# Altium PCB ASP-0.PcbDoc (part 4 of 4)
Units mm, origin at the board's own origin, x right, y up, seen from the top; angles counter-clockwise.
Board outline 200 x 170 mm, 2 copper layers (Top Layer, Bottom Layer); 290 components, 293 nets, 1338 pads, 464 vias.
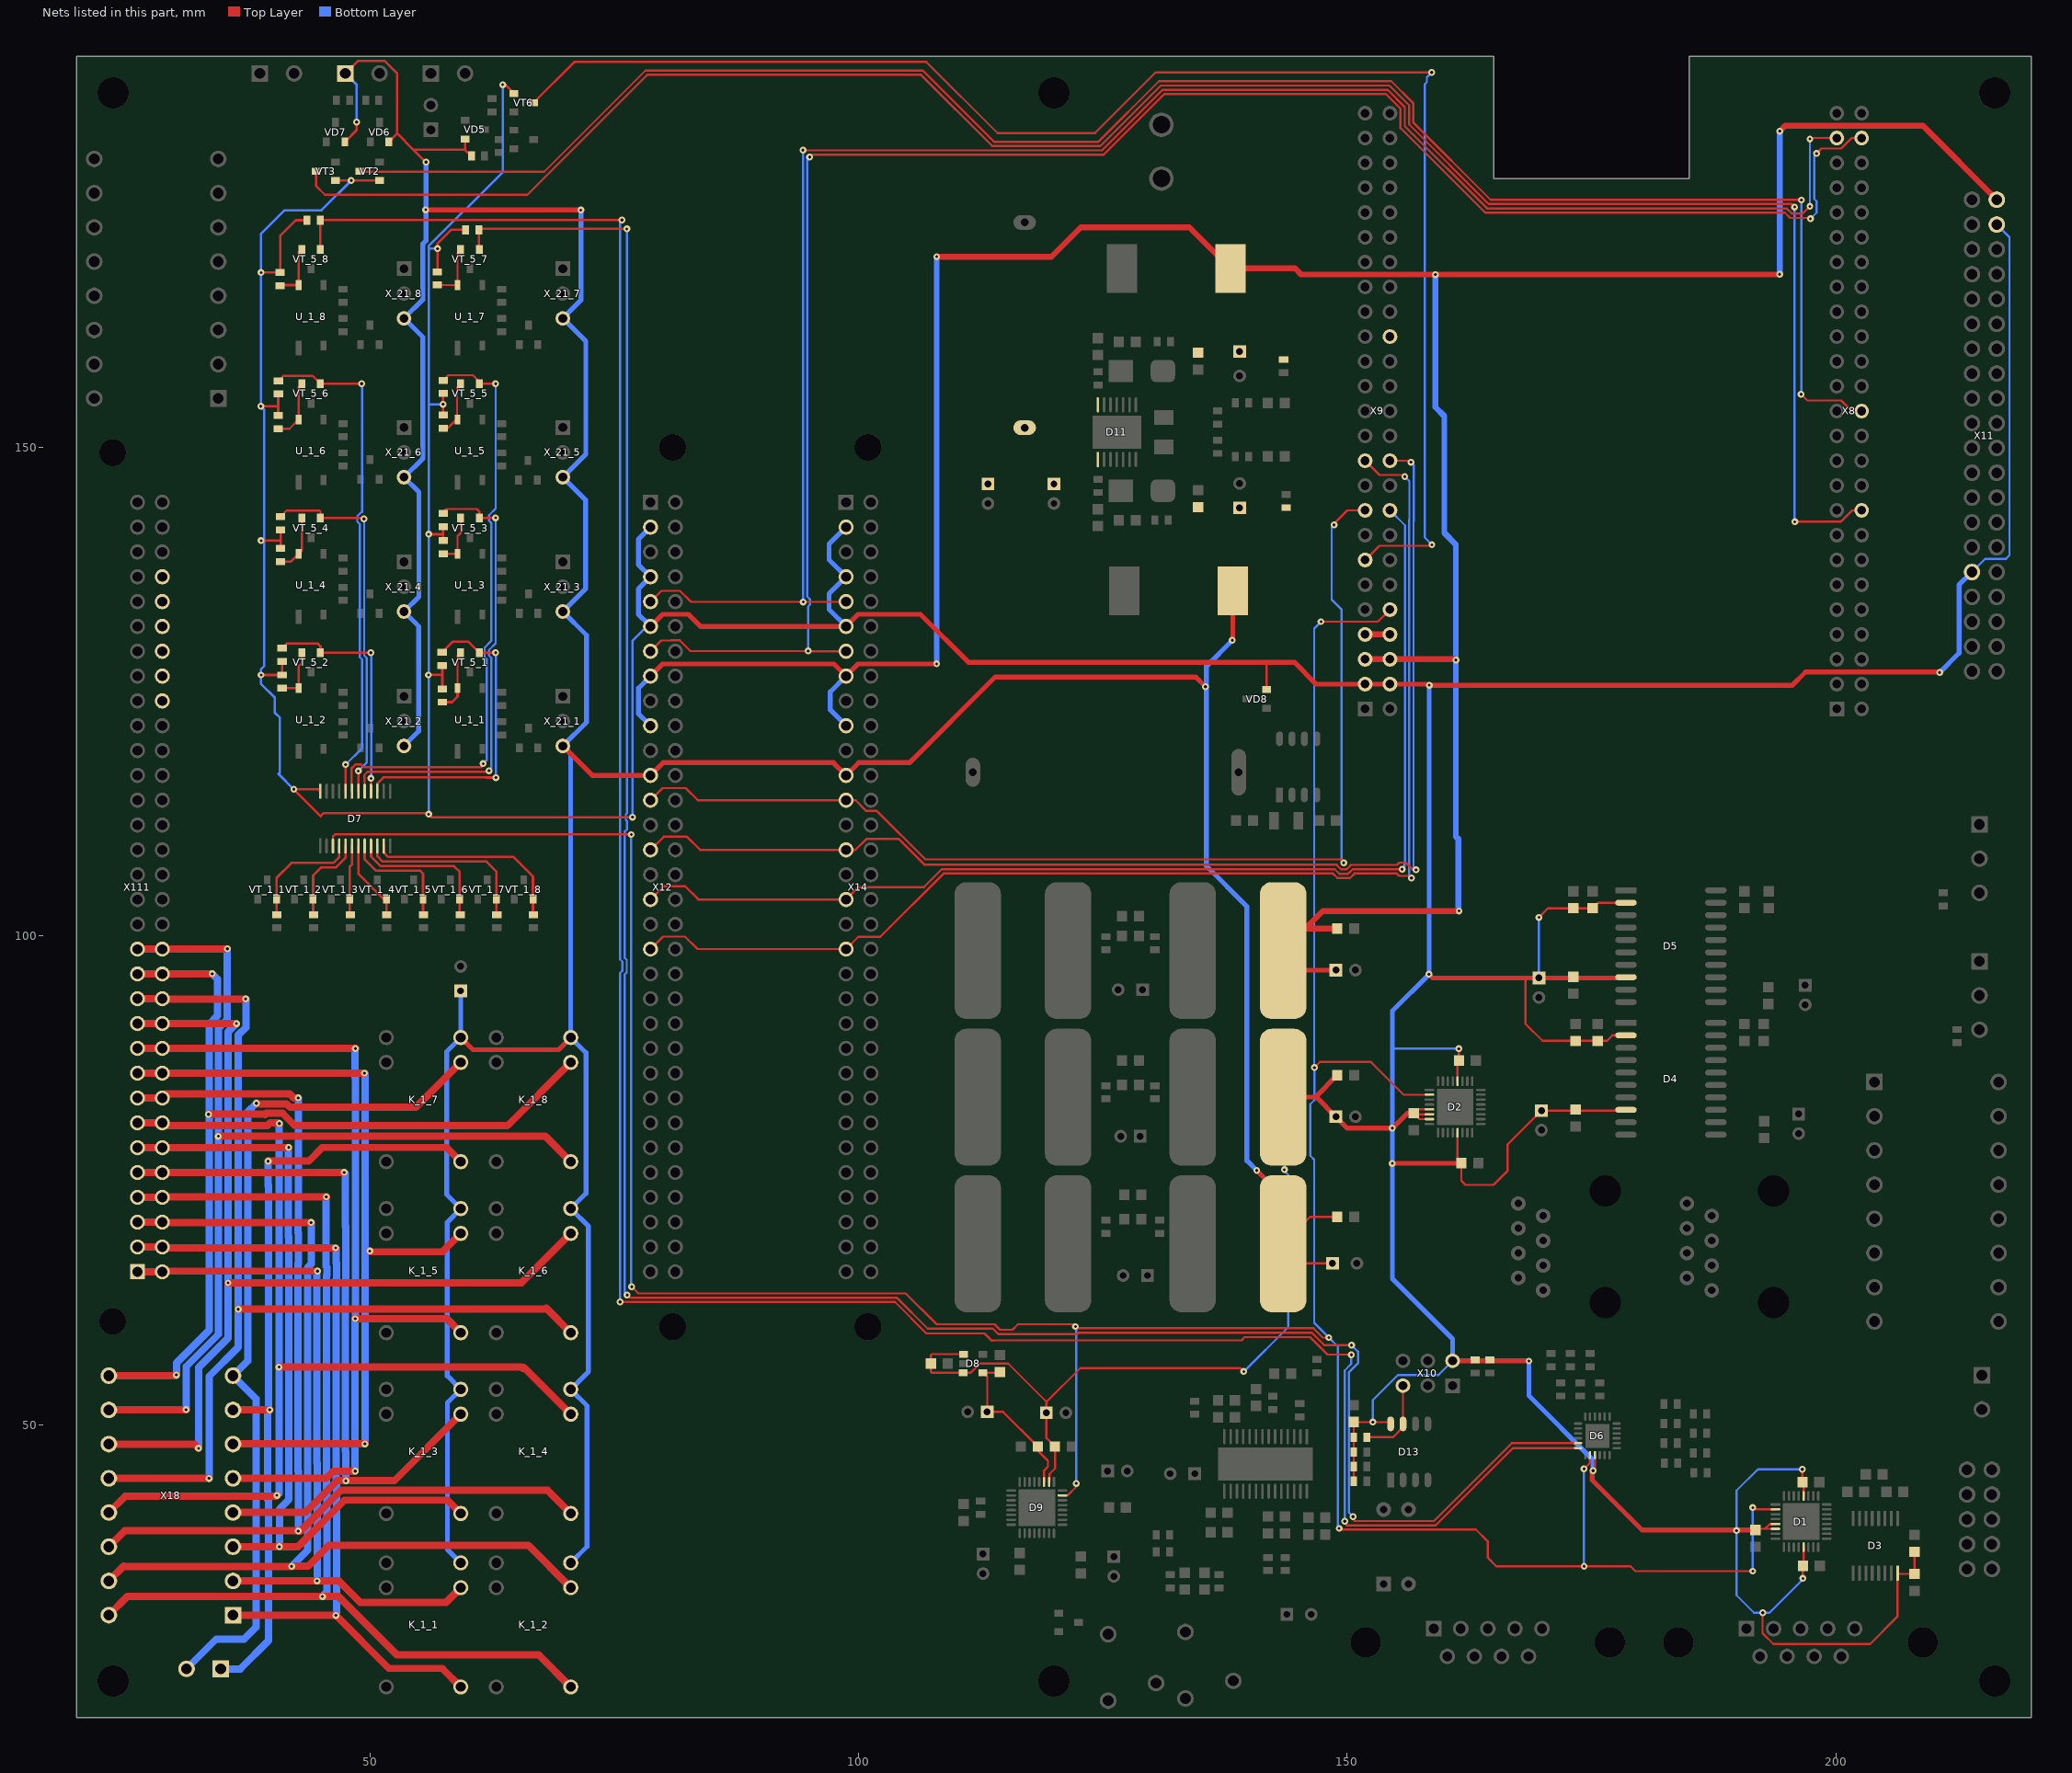
[diagram p4: the nets of this part, all layers, seen from the top]

## Via types
v1: diameter 0.7, hole 0.3, Top Layer to Bottom Layer, 444 vias
v2: diameter 0.7, hole 0.3, Top Layer to Bottom Layer, tented both sides, 20 vias

## Nets (pads, with @x,y where several pads share a name; then routed paths per layer and width w, separated by ;. In a path a pad name is that pad's centre, name@x,y a point inside that pad or via, vN(x,y) a via of type N, cw(c..) or ccw(c..) an arc to the next point about the centre after c; other vN are vias at no path point) (continued)
NetR_24_1_1: R_24_1.1 U_1_1.4 VT_5_1.2 | length 6.4
  Top Layer w0.22: U_1_1.4@58.98,125.35 58.98,128.68 VT_5_1.2@59.3,129
  Top Layer w0.25: R_24_1.1@57.425,123.925 58.425,123.925 58.98,124.48 U_1_1.4@58.98,125.35
NetR_24_2_1: R_24_2.1 U_1_2.4 VT_5_2.2 | length 5.5
  Top Layer w0.22: R_24_2.1@41.025,125.35 U_1_2.4@42.73,125.35 42.73,127.605 43.05,127.925 VT_5_2.2@43.05,129
NetR_24_3_1: R_24_3.1 U_1_3.4 VT_5_3.2 | length 5.3
  Top Layer w0.22: R_24_3.1@57.5,139.1 U_1_3.4@58.98,139.1 58.98,140.905 59.3,141.225 VT_5_3.2@59.3,142.75
NetR_24_4_1: R_24_4.1 U_1_4.4 VT_5_4.2 | length 6
  Top Layer w0.25: R_24_4.1@40.875,138.3 41.93,138.3 U_1_4.4@42.73,139.1 43.05,139.42 VT_5_4.2@43.05,142.75
NetR_24_5_1: R_24_5.1 U_1_5.4 VT_5_5.2 | length 5.6
  Top Layer w0.22: R_24_5.1@57.5,151.95 57.98,151.95 58.93,152.9 58.93,156.13 VT_5_5.2@59.3,156.5
NetR_24_6_1: R_24_6.1 U_1_6.4 VT_5_6.2 | length 6.3
  Top Layer w0.22: R_24_6.1@40.625,151.9 41.78,151.9 U_1_6.4@42.73,152.85 42.73,156.18 VT_5_6.2@43.05,156.5
NetR_24_7_1: R_24_7.1 U_1_7.4 VT_5_7.2 | length 5.8
  Top Layer w0.22: R_24_7.1@56.925,166.6 U_1_7.4@58.98,166.6 58.98,169.93 VT_5_7.2@59.3,170.25
NetR_24_8_1: R_24_8.1 U_1_8.4 VT_5_8.2 | length 5.8
  Top Layer w0.25: R_24_8.1@40.75,166.675 40.825,166.6 U_1_8.4@42.73,166.6 42.73,169.93 VT_5_8.2@43.05,170.25
NetVT2_3: VT2.3 X8.26 | length 190.4
  Top Layer w0.22: VT2.3@49,178.25 49,178.195 67.845,178.195 78.195,188.545 106.585,188.545 113.865,181.265 124.56,181.265 130.755,187.46 154.503,187.46 156.784,185.179 156.784,183.216 164.675,175.325 196.45,175.325 v1(196.475,175.3) ; v1(196.45,155.425) 197.09,154.785 200.551,154.785 201.631,153.705 X8.26@202.644,153.705
  Bottom Layer w0.22: v1(196.45,155.425) 196.475,155.45 v1(196.475,175.3)
NetVT3_3: VT3.3 X8.18 | length 209.7
  Top Layer w0.22: VT3.3@44.5,178.25 44.5,176.75 45.4,175.85 66.122,175.85 78.377,188.105 106.403,188.105 113.683,180.825 124.742,180.825 130.937,187.02 154.321,187.02 156.344,184.997 156.344,183.034 164.493,174.885 195.515,174.885 195.785,174.615 v1(195.785,174.584) ; v1(195.8,142.375) 200.5,142.375 201.67,143.545 X8.18@202.644,143.545
  Bottom Layer w0.22: v1(195.785,174.584) 195.77,174.569 195.77,142.405 v1(195.8,142.375)
NetVT6_3: VT6.3 X9.13 | length 155.6
  Top Layer w0.22: VT6.3@66.75,185.25 70.925,189.425 106.95,189.425 114.23,182.145 124.195,182.145 130.4,188.35 v1(158.65,188.35) ; X9.13@151.844,138.465 153.304,139.925 158.575,139.925 v1(158.675,140.025)
  Bottom Layer w0.22: v1(158.65,188.35) 158.163,187.863 158.163,187.377 157.94,187.155 157.94,140.76 v1(158.675,140.025)
NetX111_B24: X111.B24
NetX111_B25: X111.B25
NetX111_B26: X111.B26
NetX111_B27: X111.B27
NetX111_B28: X111.B28
NetX111_B29: X111.B29
ON1: D7.4 R_3_1.2 VT_1_1.2 | length 12.2
  Top Layer w0.25: R_3_1.2@40.5,102.175 40.45,102.225 VT_1_1.2@40.45,103.75 40.45,105.925 41.995,107.47 46.295,107.47 46.875,108.05 D7.4@46.875,109.2
ON2: D7.5 R_3_2.2 VT_1_2.2 | length 9.3
  Top Layer w0.25: R_3_2.2@44.25,102.175 44.2,102.225 VT_1_2.2@44.2,103.75 44.2,106.175 45.025,107 46.5,107 47.525,108.025 D7.5@47.525,109.2
ON3: D7.6 R_3_3.2 VT_1_3.2 | length 7.1
  Top Layer w0.25: R_3_3.2@48,102.175 47.95,102.225 VT_1_3.2@47.95,103.75 47.95,107.075 48.175,107.3 D7.6@48.175,109.2
ON4: D7.7 R_3_4.2 VT_1_4.2 | length 8.4
  Top Layer w0.25: D7.7@48.825,109.2 48.825,106.387 51.462,103.75 VT_1_4.2@51.7,103.75 51.7,102.225 R_3_4.2@51.75,102.175
ON5: D7.8 R_3_5.2 VT_1_5.2 | length 12.2
  Top Layer w0.25: D7.8@49.475,109.2 49.475,107.85 50.655,106.67 55.155,106.67 55.45,106.375 VT_1_5.2@55.45,103.75 55.45,102.225 R_3_5.2@55.5,102.175
ON6: D7.9 R_3_6.2 VT_1_6.2 | length 15.2
  Top Layer w0.25: D7.9@50.125,109.2 50.125,108.135 51.12,107.14 58.61,107.14 59.2,106.55 VT_1_6.2@59.2,103.75 59.2,102.225 R_3_6.2@59.25,102.175
ON7: D7.10 R_3_7.2 VT_1_7.2 | length 18.3
  Top Layer w0.25: D7.10@50.775,109.2 50.775,108.15 51.315,107.61 61.94,107.61 62.95,106.6 VT_1_7.2@62.95,103.75 62.95,102.225 R_3_7.2@63,102.175
ON8: D7.11 R_3_8.2 VT_1_8.2 | length 20.9
  Top Layer w0.25: D7.11@51.425,109.2 51.425,108.535 51.88,108.08 64.708,108.08 66.7,106.088 VT_1_8.2@66.7,103.75 66.7,102.225 R_3_8.2@66.75,102.175
RESET_N: D1.2 D2.2 D6.20 D7.3 D9.31 X9.10 | length 354.3
  Top Layer w0.22: D7.3@46.225,109.2 46.225,110.175 46.45,110.4 76.725,110.4 v1(76.75,110.375) ; v1(76.804,64.103) 77.487,63.42 104.835,63.42 107.995,60.26 113.931,60.26 114.496,59.695 115.757,59.695 116.3,60.238 116.3,60.26 121.974,60.26 v1(122.206,60.028) 122.384,59.85 146.55,59.85 147.5,58.9 v1(148.125,58.9) ; D9.31@120.875,42.75 121.403,42.75 v1@122.325,43.672 ; v1(146.65,86.525) 147.225,87.1 152.425,87.1 155.775,83.75 D2.2@158.425,83.75 ; v1(147.332,132.156) 147.339,132.15 153.149,132.15 X9.10@154.384,133.385 ; v1(149.175,39.375) 149.3,39.25 163.175,39.25 164.375,38.05 164.375,36.397 165.272,35.5 v1(174.25,35.5) 179,35.5 179.5,35 v1(191.5,35) ; v1(174.233,45.477) 174.252,45.477 174.85,46.075 D6.20@174.85,46.875 ; v1(191.5,41.5) 191.675,41.325 D1.2@193.825,41.325
  Bottom Layer w0.22: v1(76.75,110.375) 76.75,64.1 76.753,64.103 v1(76.804,64.103) ; v1(122.206,60.028) 122.281,59.953 v1(122.281,43.977) ; 146.625,83.175 146.625,131.449 v1(147.332,132.156) ; v1(146.65,86.525) 146.65,83.2 146.225,82.775 146.225,77.509 146.625,77.109 146.625,60.4 v1(148.125,58.9) 149.045,57.98 149.045,39.505 v1(149.175,39.375) ; v1@174.248,45.477 v1(174.233,45.477) 174.233,35.517 v1(174.25,35.5) ; v1(191.5,35) v1(191.5,41.5)
S_IN1: D7.15 R_10_1.1 VT_5_1.1 | length 32.5
  Top Layer w0.25: D7.15@50.775,114.8 50.775,115.6 51.4,116.225 61.892,116.225 61.912,116.205 62.488,116.205 62.508,116.225 62.875,116.225 v1(62.9,116.2) ; R_10_1.1@57.4,129.025 58.5,130.125 60.075,130.125 VT_5_1.1@61.2,129 61.225,128.975 v1(62.875,128.975)
  Bottom Layer w0.25: v1(62.875,128.975) 62.9,129 v1(62.9,116.2)
S_IN2: D7.16 R_10_2.1 VT_5_2.1 | length 24.2
  Top Layer w0.22: VT_5_2.1@44.95,129 44.975,128.975 v1(50.1,128.975) ; D7.16@50.125,114.8 v1(50.125,116.125)
  Top Layer w0.25: R_10_2.1@41.025,129.45 41.5,129.925 44.65,129.925 44.95,129.625 VT_5_2.1@44.95,129
  Bottom Layer w0.22: v1(50.1,128.975) 50.14,128.935 50.14,116.14 v1(50.125,116.125)
S_IN3: D7.17 R_10_3.1 VT_5_3.1 | length 47.4
  Top Layer w0.22: D7.17@49.475,114.8 49.475,115.813 49.445,115.843 49.445,116.47 49.785,116.81 62.11,116.81 v1(62.2,116.9) ; R_10_3.1@57.5,143.225 57.5,143.35 57.835,143.685 60.965,143.685 61.2,143.45 VT_5_3.1@61.2,142.75 61.225,142.775 v1(62.875,142.775)
  Bottom Layer w0.22: v1(62.2,116.9) 62.425,117.125 62.425,128.463 62.195,128.693 62.195,129.27 62.875,129.95 v1(62.875,142.775)
S_IN4: D7.18 R_10_4.1 VT_5_4.1 | length 37.9
  Top Layer w0.22: R_10_4.1@40.875,142.9 41.505,143.53 44.845,143.53 44.95,143.425 VT_5_4.1@44.95,142.75 49.325,142.75 v1(49.4,142.675) ; D7.18@48.825,114.8 v1(48.825,116.875)
  Bottom Layer w0.22: v1(48.825,116.875) 49.7,117.75 49.7,128.413 49.42,128.693 49.42,142.655 v1(49.4,142.675)
S_IN5: D7.19 R_10_5.1 VT_5_5.1 | length 62.3
  Top Layer w0.22: D7.19@48.175,114.8 48.145,114.83 48.145,117.157 48.543,117.555 49.107,117.555 49.412,117.25 61.375,117.25 61.603,117.478 v1(61.603,117.631) ; R_10_5.1@57.5,156.85 58.025,157.375 60.55,157.375 VT_5_5.1@61.425,156.5 ; VT_5_5.1@61.2,156.5 VT_5_5.1@61.425,156.5 ; v1(62.875,156.5) VT_5_5.1@61.425,156.5
  Bottom Layer w0.22: v1(61.603,117.631) 61.95,117.978 61.95,128.316 61.755,128.511 61.755,129.505 62.425,130.175 62.425,142.263 62.195,142.493 62.195,143.057 62.875,143.737 62.875,156.475 62.85,156.5 v1(62.875,156.5)
S_IN6: D7.20 R_10_6.1 VT_5_6.1 | length 51.9
  Top Layer w0.22: R_10_6.1@40.65,156.8 41.15,157.3 44.15,157.3 VT_5_6.1@44.95,156.5 v1(49.175,156.5) ; D7.20@47.525,114.8 47.525,117.528 v1(47.527,117.531)
  Bottom Layer w0.22: v1(47.527,117.531) 49.225,119.228 49.225,128.266 48.98,128.511 48.98,142.133 48.72,142.393 48.72,142.957 49.118,143.355 49.205,143.355 49.205,156.47 v1(49.175,156.5)
S_IN7: D6.17 R_10_7.1 VT_5_7.1 | length 248.2
  Top Layer w0.22: VT_5_7.1@61.2,170.25 61.15,170.3 R_10_7.1@61.15,172.25 61.25,172.35 v1(76.3,172.35) ; v1(76.325,63.25) 76.595,62.98 103.92,62.98 107.08,59.82 113.749,59.82 114.314,59.255 122.395,59.255 122.55,59.41 146.368,59.41 147.653,58.125 v1(150.45,58.125) ; v1(150.607,40.577) 150.607,40.293 150.77,40.13 158.88,40.13 166.85,48.1 D6.17@173.625,48.1
  Bottom Layer w0.22: v1(76.3,172.35) 76.325,172.325 76.325,112.562 76.195,112.432 76.195,111.868 76.325,111.738 76.325,110.912 76.07,110.657 76.07,97.761 76.285,97.546 76.285,96.254 76.07,96.039 76.07,63.505 v1(76.325,63.25) ; v1(150.45,58.125) 151.112,57.463 151.112,56.278 150.197,55.363 150.197,40.987 v1(150.607,40.577)
S_IN8: D6.18 R_10_8.1 VT_5_8.1 | length 267
  Top Layer w0.22: VT_5_8.1@44.95,170.25 44.925,170.275 R_10_8.1@44.925,173.225 44.95,173.25 v1(75.8,173.25) ; v1(75.61,62.54) 103.738,62.54 106.953,59.325 112.887,59.325 113.637,58.575 113.775,58.575 113.825,58.625 139.188,58.625 139.511,58.948 146.208,58.948 148,57.155 150.405,57.155 v1(150.432,57.128) ; v1(149.757,40.102) 149.757,39.893 149.96,39.69 159.062,39.69 166.972,47.6 D6.18@173.625,47.6
  Bottom Layer w0.22: v1(75.61,62.54) 75.61,96.201 75.845,96.436 75.845,97.364 75.61,97.599 75.61,173.06 v1(75.8,173.25) ; v1(149.757,40.102) 149.757,55.546 150.405,56.193 150.405,56.943 150.4,56.948 150.4,57.095 v1(150.432,57.128)
SPI0CS0: X9.17 X12.A13 X14.A13 | length 113.7
  Top Layer w0.22: X12.A13@78.73,113.89 79.965,115.125 82.325,115.125 83.56,113.89 X14.A13@98.73,113.89 99.707,113.89 100.812,112.785 101.887,112.785 106.847,107.825 149.315,107.825 v1(149.655,107.485) ; v1(148.657,142.057) 148.657,142.182 150.02,143.545 X9.17@151.844,143.545
  Bottom Layer w0.22: v1(148.657,142.057) 148.415,141.815 148.415,134.419 149.415,133.419 149.415,107.725 v1(149.655,107.485)
SPI0DI: X9.18 X12.A17 X14.A17 | length 117.6
  Top Layer w0.22: X12.A17@78.73,103.73 80.075,105.075 82.275,105.075 83.62,103.73 X14.A17@98.73,103.73 100,105 106.703,105 108.528,106.825 148.731,106.825 149.191,106.365 150.119,106.365 150.579,106.825 v1(155.625,106.825)
  Bottom Layer w0.22: X9.18@154.815,143.545 X9.18@154.384,143.545 155.915,142.014 155.915,107.399 155.88,107.364 155.88,107.08 v1(155.625,106.825)
SPI0DO: X9.21 X12.A19 X14.A19 | length 128.8
  Top Layer w0.22: X12.A19@78.73,98.65 80.005,99.925 82.25,99.925 83.525,98.65 X14.A19@98.73,98.65 99.98,99.9 102.225,99.9 108.71,106.385 148.549,106.385 149.009,105.925 150.301,105.925 150.761,106.385 155.103,106.385 155.343,106.145 156.355,106.145 v1(156.575,105.925) ; X9.21@151.844,148.625 153.304,147.165 155.735,147.165 v1(155.9,147)
  Bottom Layer w0.22: v1(155.9,147) 156.37,146.53 156.37,142.613 156.355,142.598 156.355,106.145 v1(156.575,105.925)
SPI0SCLK: X9.22 X12.A15 X14.A15 | length 126.1
  Top Layer w0.22: X12.A15@78.73,108.81 80.07,110.15 82.45,110.15 83.79,108.81 X14.A15@98.73,108.81 99.707,108.81 100.812,109.915 104.135,109.915 106.775,107.275 148.903,107.275 148.913,107.265 148.975,107.265 148.975,107.203 149.373,106.805 149.937,106.805 150.335,107.203 150.335,107.265 155.103,107.265 155.343,107.505 155.995,107.505 156.745,106.755 v1(157.058,106.755) ; X9.22@154.384,148.625 156.375,148.625 v1(156.525,148.475)
  Bottom Layer w0.22: v1(156.525,148.475) 156.81,148.19 156.81,142.431 156.795,142.416 156.795,106.94 156.98,106.755 v1(157.058,106.755)
SWA1: K_1_1.1 X18.1 X111.A2 X111.B2 | length 84.4
  Top Layer w0.75: X111.A2@26.23,68.17 X111.B2@28.77,68.17 28.865,68.075 v1(46.5,68.075) ; X18.1@36,30.5 46.5,30.5 v1(46.525,30.475) 51.95,25.05 57.41,25.05 K_1_1.1@59.31,23.15
  Bottom Layer w0.75: v1(46.5,68.075) 46.562,68.013 46.562,66.531 46.59,66.504 46.59,64.896 46.54,64.846 46.54,58.021 46.542,58.018 46.542,46.867 46.557,46.853 46.557,43.876 46.59,43.843 46.59,30.54 v1(46.525,30.475)
SWA2: K_1_2.1 X18.2 X111.A4 X111.B4 | length 112.4
  Top Layer w0.75: X18.2@23.3,30.5 25.2,32.4 v1(45.15,32.4) 46.8,32.4 52.775,26.425 67.285,26.425 K_1_2.1@70.56,23.15 ; X111.A4@26.23,73.25 X111.B4@28.77,73.25 28.82,73.3 v1(45.55,73.3)
  Bottom Layer w0.75: v1(45.15,32.4) 45.62,32.87 45.62,43.441 45.587,43.474 45.587,46.451 45.572,46.465 45.572,57.616 45.57,57.619 45.57,65.248 45.62,65.298 45.62,66.102 45.53,66.192 45.53,73.28 v1(45.55,73.3)
SWA3: K_1_3.1 X18.5 X111.A6 X111.B6 | length 82.6
  Top Layer w0.75: X111.A6@26.23,78.33 X111.B6@28.77,78.33 28.79,78.35 v1(41.707,78.35) ; X18.5@36,37.5 v1(40.75,37.5) 42.65,37.5 47.42,42.27 57.94,42.27 K_1_3.1@59.31,40.9
  Bottom Layer w0.75: v1(40.75,37.5) 40.75,41.364 41.707,42.321 41.707,44.844 41.692,44.858 41.692,56.009 41.69,56.012 41.69,66.855 41.72,66.885 41.72,69.186 41.685,69.221 41.685,78.328 v1(41.707,78.35)
SWA4: K_1_4.1 X18.6 X111.A8 X111.B8 | length 111.9
  Top Layer w0.75: X18.6@23.3,37.5 24.925,39.125 42.775,39.125 v1@42.752,39.102 ; X111.A8@26.23,83.41 X111.B8@28.77,83.41 29.205,83.845 41.82,83.845 42.24,83.425 v1(42.675,83.425) ; v1(42.677,39.102) v1@42.752,39.102 ; K_1_4.1@70.56,40.9 68.185,43.275 47.053,43.275 42.88,39.102 v1@42.752,39.102
  Bottom Layer w0.75: v1(42.675,83.425) 42.677,83.423 42.677,70.449 42.655,70.427 42.655,69.623 42.69,69.588 42.69,66.484 42.66,66.454 42.66,56.413 42.662,56.411 42.662,45.26 42.677,45.245 v1(42.677,39.102)
SWA5: K_1_5.1 X18.9 X111.A10 X111.B10 | length 89.8
  Top Layer w0.75: X111.A10@26.23,88.49 X111.B10@28.77,88.49 28.785,88.475 v1(48.525,88.475) ; X18.9@36,44.5 45.535,44.5 46.257,45.222 48.497,45.222 v1(48.502,45.227) ; v1(48.502,60.828) 48.505,60.825 57.885,60.825 K_1_5.1@59.31,59.4
  Bottom Layer w0.75: v1(48.502,45.227) 48.497,45.232 48.497,47.656 48.482,47.671 48.482,60.808 v1(48.502,60.828) 48.53,60.856 48.53,66.848 48.53,85.505 48.482,85.552 48.482,88.432 v1(48.525,88.475)
SWA6: K_1_6.1 X18.10 X111.A12 X111.B12 | length 107
  Top Layer w0.75: X18.10@23.3,44.5 v1(33.55,44.5) ; X111.A12@26.23,93.57 X111.B12@28.77,93.57 28.79,93.55 v1(37.3,93.55) ; v1(36.548,61.798) 67.958,61.798 68.06,61.9 K_1_6.1@70.56,59.4
  Bottom Layer w0.75: v1(33.55,44.5) 33.55,54.925 36.548,57.923 v1(36.548,61.798) 36.548,89.851 37.325,90.628 37.325,93.525 v1(37.3,93.55)
SWA7: K_1_7.1 X18.13 X21.1 | length 80.3
  Top Layer w0.75: X18.13@36,51.5 39.8,51.5 v1(39.75,51.5) ; v1(39.6,76.95) 43.75,76.95 45.155,78.355 57.855,78.355 K_1_7.1@59.31,76.9
  Bottom Layer w0.75: X21.1@34.75,25 36.75,25 39.65,27.9 39.65,42.228 39.53,42.348 39.53,51.28 v1@39.65,51.4 ; v1(39.6,76.95) 39.6,74.425 39.65,74.475 v1@39.65,51.4 ; v1(39.75,51.5) v1@39.65,51.4
SWA8: K_1_8.1 X18.14 X111.A14 X111.B14 | length 103.2
  Top Layer w0.75: X18.14@23.3,51.5 31.175,51.5 v1(31.2,51.525) ; X111.A14@26.23,98.65 X111.B14@28.77,98.65 28.795,98.675 v1(35.425,98.675) ; v1(34.5,79.5) 67.96,79.5 K_1_8.1@70.56,76.9
  Bottom Layer w0.75: v1(31.2,51.525) 31.2,55.922 34.53,59.252 34.53,90.577 35.385,91.432 35.385,98.635 v1(35.425,98.675)
SWB1: K_1_1.2 X18.3 X111.A1 X111.B1 | length 75
  Top Layer w0.75: X111.A1@26.23,65.63 X111.B1@28.77,65.63 28.84,65.7 v1(44.65,65.7) ; X18.3@36,34 v1(44.6,34) 46.825,34 49.025,31.8 57.8,31.8 K_1_1.2@59.31,33.31
  Bottom Layer w0.75: v1(44.6,34) 44.617,34.017 44.617,46.049 44.602,46.064 44.602,57.215 44.6,57.217 44.6,65.65 v1(44.65,65.7)
SWB2: K_1_2.2 X18.4 X111.A3 X111.B3 | length 104.5
  Top Layer w0.75: X18.4@23.3,34 24.825,35.525 24.9,35.45 v1@42,35.45 ; X111.A3@26.23,70.71 X111.B3@28.77,70.71 28.835,70.775 28.935,70.675 v1(44,70.675) ; v1(42,35.5) 43.675,35.5 45.825,37.65 66.22,37.65 K_1_2.2@70.56,33.31
  Bottom Layer w0.75: v1(42,35.5) 43.647,37.147 43.647,45.647 43.632,45.662 43.632,56.813 43.63,56.815 43.63,66.052 44,66.422 v1(44,70.675)
SWB3: K_1_3.2 X18.7 X111.A5 X111.B5 | length 80.3
  Top Layer w0.75: X111.A5@26.23,75.79 X111.B5@28.77,75.79 28.78,75.8 v1(47.375,75.8) ; X18.7@36,41 43.406,41 46.659,44.252 v1(47.552,44.252) 52.502,44.252 K_1_3.2@59.31,51.06
  Bottom Layer w0.75: v1(47.375,75.8) 47.5,75.675 47.5,70.25 47.532,70.218 47.532,66.933 47.56,66.905 47.56,64.495 47.512,64.447 47.512,47.269 47.527,47.254 47.527,44.277 v1(47.552,44.252)
SWB4: K_1_4.2 X18.8 X111.A7 X111.B7 | length 102.8
  Top Layer w0.75: X18.8@23.3,41 24.975,42.675 40.425,42.675 v1(40.5,42.75) ; X111.A7@26.23,80.87 X111.B7@28.77,80.87 29.033,80.607 39.55,80.607 39.814,80.87 40.68,80.87 v1(40.75,80.8) ; v1(40.715,55.885) 65.535,55.885 65.67,55.75 65.77,55.85 K_1_4.2@70.56,51.06
  Bottom Layer w0.75: v1(40.5,42.75) 40.722,42.972 40.722,55.593 40.715,55.6 v1(40.715,55.885) 40.715,80.765 v1(40.75,80.8)
SWB5: K_1_5.2 X18.11 X111.A9 X111.B9 | length 84.9
  Top Layer w0.75: X111.A9@26.23,85.95 X111.B9@28.77,85.95 49.448,85.95 v1(49.452,85.954) ; X18.11@36,48 36.025,48.025 v1(49.5,48.025) ; v1(50,67.75) 50.075,67.675 57.425,67.675 K_1_5.2@59.31,69.56
  Bottom Layer w0.75: v1@49.452,48.073 v1(49.5,48.025) 49.5,85.907 v1(49.452,85.954)
SWB6: K_1_6.2 X18.12 X111.A11 X111.B11 | length 101.7
  Top Layer w0.75: X18.12@23.3,48 32.05,48 v1(32.475,47.575) ; X111.A11@26.23,91.03 X111.B11@28.77,91.03 v1(36.355,91.03) ; v1(35.5,64.5) 65.5,64.5 K_1_6.2@70.56,69.56
  Bottom Layer w0.75: v1(32.475,47.575) 32.5,47.6 32.5,55.85 35.5,58.85 35.5,90.175 v1(36.355,91.03)
SWB7: K_1_7.2 X18.15 X21.2 | length 87.4
  Top Layer w0.75: v1(38.4,82.875) 38.465,82.81 41.484,82.81 41.839,82.455 54.705,82.455 K_1_7.2@59.31,87.06
  Bottom Layer w0.75: X21.2@31.25,25 34.3,28.05 37.15,28.05 38.35,29.25 38.35,52.65 X18.15@36,55 37.518,56.518 37.518,81.993 v1(38.4,82.875)
SWB8: K_1_8.2 X18.16 X111.A13 X111.B13 | length 98
  Top Layer w0.75: X18.16@23.3,55 30.135,55 v1(30.21,55.075) ; X111.A13@26.23,96.11 X111.B13@28.77,96.11 33.86,96.11 v1(33.875,96.125) ; v1(33.5,81.75) 39.3,81.75 39.311,81.739 39.412,81.84 41.082,81.84 42.347,80.575 64.075,80.575 K_1_8.2@70.56,87.06
  Bottom Layer w0.75: v1(30.21,55.075) 30.23,55.055 30.23,56.324 33.56,59.654 33.56,79.103 33.555,79.108 33.555,90.974 34.415,91.834 34.415,95.585 v1(33.875,96.125)
SYS_5V: X9.7 X9.8 | length 2.5
  Top Layer w0.6: X9.7@151.844,130.845 X9.8@154.384,130.845
USB_D+: X8.47 X12.A5 X14.A5 | length 189.2
  Top Layer w0.22: X12.A5@78.73,134.21 79.835,135.315 81.728,135.315 82.868,134.175 v1(94.35,134.175) 98.695,134.175 X14.A5@98.73,134.21 ; v1(94.325,180.4) 94.34,180.385 124.924,180.385 131.119,186.58 154.139,186.58 155.904,184.815 155.904,182.851 164.31,174.445 194.961,174.445 195.503,173.904 196.604,173.904 v1(197.35,174.65) ; v1(197.35,181.55) 197.445,181.645 X8.47@200.104,181.645
  Bottom Layer w0.22: v1(94.325,180.4) 94.325,134.2 v1(94.35,134.175) ; v1(197.35,174.65) v1(197.35,181.55)
USB_D-: X8.48 X12.A7 X14.A7 | length 196
  Top Layer w0.22: X12.A7@78.73,129.13 79.825,130.225 80.802,130.225 80.812,130.235 81.728,130.235 82.813,129.15 v1(94.85,129.15) 94.87,129.13 X14.A7@98.73,129.13 ; v1(95.005,179.705) 94.97,179.705 95.21,179.945 125.106,179.945 131.301,186.14 153.956,186.14 155.464,184.632 155.464,182.669 164.128,174.005 194.779,174.005 195.321,173.464 197.311,173.464 v1(197.4,173.375) ; v1(198.035,180.059) 198.016,180.059 198.522,180.565 200.551,180.565 201.631,181.645 X8.48@202.644,181.645
  Bottom Layer w0.22: v1(94.85,129.15) 94.85,133.713 95.03,133.893 95.03,134.457 94.765,134.722 94.765,179.75 94.96,179.75 v1(95.005,179.705) ; v1(197.4,173.375) 198.03,174.005 198.03,175.172 197.79,175.412 197.79,179.814 v1(198.035,180.059)
V_IN: C54.1 C55.1 D11.1 D11.14 F1.2
VDD_1V8: C22.1 C23.2 C31.2 D8.4 D9.3 | length 16.8
  Top Layer w0.22: C31.2@114.475,55.385 114.39,55.3 D8.4@112.75,55.3 113.175,54.875 C22.1@113.175,51.3 114.79,51.3 C23.2@118.34,47.75 118.34,47.335 119.386,46.289 119.386,45.696 119,45.31 D9.3@119,44.125
VDD_3V3: C2.2 C3.1 C4.1 C5.1 C6.1 C7.1 C8.1 C9.1 C10.1 C11.2 C24.2 C25.1 C26.2 C62.1 C63.1 C64.2 C73.2 C74.2 C75.2 C76.2 C77.2 C78.2 D1.5 D1.6 D1.13 D1.28 D2.5 D2.6 D2.7 D2.13 D2.28 D3.16 D4.2 D4.8 D5.2 D5.8 D6.21 D7.24 D8.1 D8.3 D9.2 D13.8 L1.1 R35.2 R36.2 R37.2 R38.2 R39.2 R40.2 R_10_1.2 R_10_2.2 R_10_3.2 R_10_4.2 R_10_5.2 R_10_6.2 R_10_7.2 R_10_8.2 R_24_1.2 R_24_2.2 R_24_3.2 R_24_4.2 R_24_5.2 R_24_6.2 R_24_7.2 R_24_8.2 VD8.2 VT2.1 VT3.1 VT6.1 X9.3 X9.4 X10.2 X11.4 X11.31 X12.A2 X12.A4 X12.A6 X14.A2 X14.A4 X14.A6 | length 868.1
  Top Layer w0.22: D8.1@110.75,57.2 107.5,57.2 107.41,57.11 C24.2@107.41,56.25 107.41,55.39 107.5,55.3 D8.3@110.725,55.3 111.483,55.3 112.423,56.24 115.315,56.24 119.225,52.33 119.225,52.3 ; D9.2@119.5,44.125 119.545,44.17 119.545,44.955 120.11,45.52 C26.2@120.11,47.75 119.225,48.635 C25.1@119.225,51.2 119.225,52.3 ; v1(139.425,55.425) 139.075,55.775 122.7,55.775 119.225,52.3 ; VD8.2@141.75,125.2 141.75,128 ; L1.1@143.45,83.5 143.725,83.5 143.582,83.357 v1(143.582,76.079) ; R40.2@150.675,44.2 R39.2@150.675,45.7 R38.2@150.675,47.2 R37.2@150.675,48.7 150.675,50.19 150.615,50.25 v1(152.625,50.25) 154.265,50.25 D13.8@154.445,50.07 ; D2.7@158.425,81.25 157.415,81.25 C74.2@156.915,81.75 ; D2.6@158.425,81.75 C74.2@156.915,81.75 ; D2.5@158.425,82.25 157.185,82.25 C74.2@156.8,81.865 C74.2@156.915,81.75 ; D2.13@161.3,79.875 161.3,77.135 C76.2@161.685,76.75 161.685,74.94 162.1,74.525 164.975,74.525 166.425,75.975 166.425,78.677 C3.1@169.875,82.127 178.45,82.127 D4.8@178.525,82.202 ; D2.28@161.3,85.125 161.3,87.115 C78.2@161.435,87.25 v1(161.435,88.46) ; 168.25,95.702 168.25,91 169.988,89.262 C5.1@173.375,89.262 C4.1@175.625,89.262 176.587,89.262 177.147,89.822 D4.2@178.525,89.822 ; v1(169.625,101.9) 170.562,102.837 C9.1@173.125,102.837 C8.1@175.125,102.837 175.685,103.397 D5.2@178.525,103.397 ; v1(175.159,45.277) 175.35,45.468 D6.21@175.35,46.875 ; C73.2@191.775,39.215 191.885,39.325 192.75,39.325 ; v1(192.525,30.75) 192.5,30.725 192.5,28.652 193.602,27.55 203.5,27.55 206.325,30.375 D3.16@206.325,34.8 206.41,34.715 C11.2@208.05,34.715 C2.2@208.05,36.985 ; D1.6@193.825,39.325 192.75,39.325 ; D1.5@193.825,39.825 193.25,39.825 192.75,39.325 ; v1(196.575,45.425) 196.585,45.415 C77.2@196.585,44.125 196.7,44.01 D1.28@196.7,42.7 ; v1(196.635,34.26) C75.2@196.635,35.525 196.7,35.59 D1.13@196.7,37.45
  Top Layer w0.25: v1(38.85,154.2) 40.625,154.2 ; v1(38.875,126.7) R_24_2.2@41.025,126.7 R_10_2.2@41.025,128.1 ; v1(38.875,140.45) 40.875,140.45 ; v1(38.875,167.875) R_24_8.2@40.825,167.875 40.825,171.625 42.425,173.225 R_10_8.2@43.575,173.225 ; R_24_6.2@40.625,153.25 40.625,154.2 ; R_10_6.2@40.65,155.45 40.625,155.425 40.625,154.2 ; R_24_4.2@40.875,139.65 R_10_4.2@40.875,141.55 ; D7.24@44.925,114.8 44.725,115 v1(42.225,115) 44.975,112.25 45.3,112.575 55.9,112.575 v1(56.025,112.45) 56.325,112.15 v1(76.875,112.15) ; VT3.1@46.5,177.3 v1(48.1,177.3) VT2.1@51,177.3 ; v1(56,126.7) 56.025,126.725 57.375,126.725 ; v1(56.025,141.1) 57.5,141.1 ; R_24_7.2@56.925,167.95 v1(56.925,170.325) 56.925,170.85 58.325,172.25 R_10_7.2@59.8,172.25 ; R_10_1.2@57.4,127.675 57.425,127.65 R_24_1.2@57.425,125.275 ; R_24_3.2@57.5,140.45 57.5,141.1 ; R_10_3.2@57.5,141.875 57.5,141.1 ; R_24_5.2@57.5,153.3 v1(57.5,154.4) R_10_5.2@57.5,155.5 ; v1(63.6,187.1) 63.85,187.1 VT6.1@64.75,186.2
  Top Layer w0.5: X12.A6@78.73,131.67 79.975,132.915 82.585,132.915 83.83,131.67 X14.A6@98.73,131.67 99.975,132.915 106.335,132.915 111.25,128 141.75,128 144.591,128 146.826,125.765 X9.3@151.844,125.765 X9.4@154.384,125.765 158.285,125.765 v1(158.4,125.65) 195.55,125.65 196.9,127 210.575,127 v1(210.625,126.95) ; L1.1@143.725,83.5 146.85,83.5 ; C64.2@148.985,85.75 146.85,83.615 146.85,83.5 ; v1(154.625,76.725) 161.66,76.725 C76.2@161.685,76.75 ; C74.2@156.8,81.865 156.165,81.865 v1(154.625,80.325) 150.025,80.325 C63.1@148.85,81.5 146.85,83.5 ; v1(158.375,96.075) 158.748,95.702 168.25,95.702 C7.1@169.625,95.702 178.45,95.702 D5.8@178.525,95.777 ; X10.2@160.79,56.52 168.58,56.52 v1(168.6,56.5) ; v1(175.159,45.277) 175.064,45.182 175.064,44.337 180.186,39.215 C73.2@191.775,39.215
  Bottom Layer w0.22: v1(139.425,55.425) 143.965,59.965 143.965,75.56 143.582,75.943 v1(143.582,76.079) ; v1(152.625,50.25) 152.625,52.5 155.2,55.075 159.345,55.075 X10.2@160.79,56.52 ; 154.625,88.5 154.665,88.46 v1(161.435,88.46) ; C7.1@169.625,95.702 v1(169.625,101.9) ; v1@175.159,45.084 v1(175.159,45.277) ; v1(196.575,45.425) 192.025,45.425 189.85,43.25 v1(189.85,39.15) 189.85,32.525 191.625,30.75 v1(192.525,30.75) 193.212,30.75 196.635,34.173 v1(196.635,34.26) ; X11.31@213.93,137.23 215.29,138.59 217.415,138.59 217.775,138.95 217.775,171.485 X11.4@216.47,172.79
  Bottom Layer w0.25: v1(42.225,115) 40.651,116.574 40.795,116.719 40.795,122.323 40.275,122.843 40.275,124.4 38.85,125.825 38.85,127.278 39.18,127.608 39.18,153.87 v1(38.85,154.2) 38.85,171.825 41.275,174.25 45.05,174.25 v1(48.1,177.3) ; v1(56.025,112.45) v1(56.025,141.1) 56.025,154.375 ; v1(56.925,170.325) 56.05,170.325 56.025,170.35 ; v1(57.5,154.4) 56.05,154.4 56.025,154.375 ; v1(63.6,187.1) 63.625,187.075 63.625,178.175 56.025,170.575 56.025,170.35 ; v1(76.875,112.15) 76.875,130.2 78.537,131.862 X12.A6@78.73,131.67 ; 56.025,154.375 56.025,170.35
  Bottom Layer w0.5: X12.A6@78.537,131.862 77.485,132.915 77.485,135.505 X12.A4@78.73,136.75 77.485,137.995 77.485,140.585 X12.A2@78.73,141.83 ; X14.A6@98.73,131.67 97,133.4 97,135.02 X14.A4@98.73,136.75 97,138.48 97,140.1 X14.A2@98.73,141.83 ; v1(158.4,125.65) 158.4,96.075 v1(158.375,96.075) 154.625,92.325 154.625,88.5 v1(154.625,80.325) v1(154.625,76.725) 154.625,64.925 160.79,58.76 X10.2@160.79,56.52 ; v1(168.6,56.5) 168.6,52.95 175.159,46.391 v1(175.159,45.277) ; v1(210.625,126.95) 212.61,128.935 212.61,135.91 X11.31@213.93,137.23
VDD_5V: C59.1 C60.2 C82.1 C83.2 L6.2 L13.1 R20.1 X9.5 X9.6 X11.2 X12.A8 X12.A10 X14.A8 X14.A10 | length 319.4
  Top Layer w0.22: L13.1@143.45,98.5 L13.1@145.45,96.5
  Top Layer w0.5: X12.A8@78.73,126.59 79.975,127.835 97.485,127.835 X14.A8@98.73,126.59 99.975,127.835 v1(108,127.835) ; L13.1@145.45,96.5 C82.1@148.85,96.5
  Top Layer w0.6: v1(108,169.5) 119.75,169.5 122.75,172.5 133.85,172.5 L6.2@138.05,168.3 144.675,168.3 145.3,167.675 v1(159.025,167.675) 194.225,167.675 v1(194.25,167.7) ; L13.1@143.45,98.5 L13.1@145.7,100.75 ; C83.2@148.985,100.75 L13.1@145.7,100.75 ; X9.5@151.844,128.305 X9.6@154.384,128.305 161.045,128.305 v1(161.125,128.225) ; v1(161.45,102.55) 147.5,102.55 L13.1@145.7,100.75 ; v1(194.275,182.35) 194.84,182.915 208.885,182.915 X11.2@216.47,175.33
  Bottom Layer w0.5: X12.A10@78.73,121.51 77.485,122.755 77.485,124.581 77.5,124.596 77.5,125.36 X12.A8@78.73,126.59 ; X14.A10@98.73,121.51 97.125,123.115 97.125,124.985 X14.A8@98.73,126.59
  Bottom Layer w0.6: v1(108,127.835) v1(108,169.5) ; v1(159.025,167.675) 159.025,154.105 159.943,153.188 159.943,141.232 161.125,140.05 v1(161.125,128.225) 161.125,110.17 161.396,109.898 161.396,102.604 v1(161.45,102.55) ; v1(194.25,167.7) 194.25,182.325 v1(194.275,182.35)
VDD_12V: C49.2 C50.1 C68.1 C69.2 C79.1 K_1_1.3 K_1_2.3 K_1_3.3 K_1_4.3 K_1_5.3 K_1_6.3 K_1_7.3 K_1_8.3 L5.1 L9.1 R13.2 R42.2 VD5.2 VD6.2 VD7.2 X7.1 X12.A12 X14.A12 X_21_1.3 X_21_2.3 X_21_3.3 X_21_4.3 X_21_5.3 X_21_6.3 X_21_7.3 X_21_8.3 | length 494.1
  Top Layer w0.22: C68.1@148.5,66.5 145.45,66.5 L9.1@143.45,68.5 146.2,71.25 C69.2@148.985,71.25
  Top Layer w0.25: VD7.2@47.45,181.25 48.65,182.45 v1(48.65,183.275) ; X7.1@47.5,188.25 48.778,189.528 51.522,189.528 52.8,188.25 52.8,182.1 ; VD6.2@51.95,181.25 52.8,182.1 ; v1(55.75,179.175) 54.475,180.45 ; VD5.2@59.75,181.55 59.75,180.45 ; R42.2@60.4,179.8 59.75,180.45 ; 52.8,182.1 54.45,180.45 54.475,180.45 ; 54.475,180.45 59.75,180.45
  Top Layer w0.5: v1(55.725,174.3) 55.75,174.275 v1(71.6,174.275) ; K_1_7.3@59.31,89.6 60.555,88.355 69.315,88.355 K_1_8.3@70.56,89.6 ; X_21_1.3@69.75,119.44 72.76,116.43 X12.A12@78.73,116.43 80.025,117.725 97.435,117.725 X14.A12@98.73,116.43 100.025,117.725 105.225,117.725 114,126.5 134.499,126.5 v1(135.5,125.5) ; v1(138.25,130.25) 138.3,130.3 L5.1@138.3,135.3 ; v1(140.75,76) 143.45,73.3 L9.1@143.45,68.5
  Bottom Layer w0.25: X7.1@47.5,188.25 48.65,187.1 v1(48.65,183.275)
  Bottom Layer w0.5: X_21_2.3@53.5,119.44 55,120.94 55,131.69 X_21_4.3@53.5,133.19 55.025,134.715 55.025,145.415 X_21_6.3@53.5,146.94 55.43,148.87 55.43,161.26 X_21_8.3@53.5,163.19 55.43,165.12 55.43,170.821 55.75,171.141 v1(55.75,179.175) ; C79.1@59.3,94.375 59.3,89.61 K_1_7.3@59.31,89.6 57.875,88.165 57.875,73.535 K_1_5.3@59.31,72.1 57.925,70.715 57.925,54.985 K_1_3.3@59.31,53.6 57.95,52.24 57.95,37.21 K_1_1.3@59.31,35.85 ; K_1_2.3@70.56,35.85 72.225,37.515 72.225,51.935 K_1_4.3@70.56,53.6 72.375,55.415 72.375,70.285 K_1_6.3@70.56,72.1 72.125,73.665 72.125,88.035 K_1_8.3@70.56,89.6 70.56,118.63 X_21_1.3@69.75,119.44 72.175,121.865 72.175,130.765 X_21_3.3@69.75,133.19 72.075,135.515 72.075,144.615 X_21_5.3@69.75,146.94 72.1,149.29 72.1,160.84 X_21_7.3@69.75,163.19 71.6,165.04 v1(71.6,174.275) ; v1(135.5,125.5) v1@135.605,125.5 ; v1(138.25,130.25) 135.605,127.605 v1@135.605,125.5 ; v1(140.75,76) 139.75,77 139.75,103 135.605,107.145 v1@135.605,125.5
VDD_ADC: X9.32
WP: D13.7 R37.1 X10.5 | length 8.4
  Top Layer w0.22: R37.1@152.025,48.7 154.7,48.7 155.715,49.715 D13.7@155.715,50.07 155.715,53.975 X10.5@155.71,53.98
pads on no net: D1.4 D1.9 D1.16 D1.30 D2.4 D2.9 D6.15 D6.16 D7.13 D7.14 D8.5 D9.27 D10.13 D11.10 D12.3 D12.7 K_1_1.5 K_1_1.6 K_1_2.5 K_1_2.6 K_1_3.5 K_1_3.6 K_1_4.5 K_1_4.6 K_1_5.5 K_1_5.6 K_1_6.5 K_1_6.6 K_1_7.5 K_1_7.6 K_1_8.5 K_1_8.6 VD_4_1.2 VD_4_2.2 VD_4_3.2 VD_4_4.2 VD_4_5.2 VD_4_6.2 VD_4_7.2 VD_4_8.2 X1.0 X1.1 X1.4 X1.6 X1.7 X1.8 X1.9 X2.0 X2.1 X2.4 X2.6 X2.7 X2.8 X2.9 X8.49 X8.50 X9.9 X9.41 X9.47 X9.48 X9.49 X9.50 X11.35 X12.0 X12.A21 X12.A22 X12.A23 X12.A24 X12.A25 X12.A26 X12.A27 X12.A28 X12.A29 X12.A30 X12.A31 X12.A32 X12.B1 X12.B2 X12.B3 X12.B4 X12.B5 X12.B6 X12.B7 X12.B8 X12.B9 X12.B10 X12.B11 X12.B12 X12.B13 X12.B14 X12.B15 X12.B16 X12.B17 X12.B18 X12.B19 X12.B20 X12.B21 X12.B22 X12.B23 X12.B24 X12.B25 X12.B26 X12.B27 X12.B28 X12.B29 X12.B30 X12.B31 X12.B32 X14.0 X14.A21 X14.A22 X14.A23 X14.A24 X14.A25 X14.A26 X14.A27 X14.A28 X14.A29 X14.A30 X14.A31 X14.A32 X14.B1 X14.B2 X14.B3 X14.B4 X14.B5 X14.B6 X14.B7 X14.B8 X14.B9 X14.B10 X14.B11 X14.B12 X14.B13 X14.B14 X14.B15 X14.B16 X14.B17 X14.B18 X14.B19 X14.B20 X14.B21 X14.B22 X14.B23 X14.B24 X14.B25 X14.B26 X14.B27 X14.B28 X14.B29 X14.B30 X14.B31 X14.B32 X22.3 X23.3 X24.9 X24.10 X106.0 X107.0 X111.0 X111.A24 X111.A25 X111.A26 X111.A27 X111.A28 X111.A29 X111.A30 X111.A31 X111.A32 X111.B30 X111.B31 X111.B32

## Polygon pours and split planes (outlines as drawn)
AGND2 on Bottom Layer "Bottom Layer-AGND2" (hatched 90Degree grid 0.5 track 0.22, remove dead copper, pour order 0): 130,55 147.75,55 147.75,21.25 130,21.25
GND on Bottom Layer "GND_L02_P018" (solid, pour order 18): 124.75,189 141.25,189 141.25,139 111.25,139 111.25,182.25 124.75,182.25
GND on Bottom Layer "GND_L02_P022" (hatched 90Degree grid 0.5 track 0.25, remove dead copper, pour order 22): 141.25,189 211.5,189 211.5,181.5 219,181.5 219,28.5 211.5,28.5 211.5,21 149.5,21 149.5,56 129.25,56 129.25,28.75 115.25,28.5 115.25,21 72.5,21 72.5,91.25 21,91.25 21,181.5 28.5,181.5 28.5,189 111.25,189 111.25,139 141.25,139
V_IN on Top Layer "Bottom Layer-AGND2" (solid, pour order 2): 124.75,155.5 124.75,153.5 124.75,151.5 124.75,149.5 124.75,147.75 123.25,147.75 123.25,145.25 111.75,145.25 111.75,155.5
NetF1_1 on Top Layer "NETF1_1_L01_P004" (solid, remove dead copper, pour order 4): 115,179.5 133,179.5 133,171.75 115,171.75
NetC57_2 on Top Layer "NETC57_2_L01_P006" (solid, pour order 6): 123.75,171.5 130,171.5 130,162 127.5,162 127.5,155.5 126.5,155.5 126.25,155.25 126.25,154.25 126.25,153.25 125.25,153.25 125.25,160.25 123.75,160.25
NetC51_2 on Top Layer "NETC51_2_L01_P008" (solid, pour order 8): 123.75,131.25 130,131.25 130,141.25 127.5,141.25 127.5,147.5 127.5,147.75 126.25,147.75 126.25,149 125,149 125,143 123.75,143
VDD_5V on Top Layer "VDD_5V_L01_P010" (solid, pour order 10): 133.75,171.75 144.25,171.75 144.25,158.5 133.75,158.5
VDD_12V on Top Layer "VDD_12V_L01_P012" (solid, pour order 12): 133.75,145 144.25,145 144.25,131.25 133.75,131.25
GND on Top Layer "GND_L01_P014" (solid, pour order 14): 129.25,143.25 131,143.25 131,141.75 133.5,141.75 133.5,145.25 142.25,145.25 142,145.5 142,148 139.25,148 139.25,150 135,150 133.25,148.25 129.25,148.25
GND on Top Layer "GND_L01_P016" (solid, pour order 16): 131.25,161.75 133.5,161.75 133.5,158.25 142,158.25 142,155.5 139.25,155.5 139.25,153 134,153 131,156 129.25,156 129.25,160 131.25,160

## Keep-outs
Keep-Out Layer:
  region: 27.5,190 27.5,182.5 20,182.5 20,190
  region: 27.5,27.5 27.5,20 20,20 20,27.5
  region: 220,27.5 220,20 212.5,20 212.5,27.5
  region: 220,190 220,182.5 212.5,182.5 212.5,190
  region: 123.75,190 123.75,182.5 116.25,182.5 116.25,190
  region: 116.25,20 116.25,27.5 123.75,27.5 123.75,20
  lines w0.254: 220,190 220,190 ; 220,190 185,190 185,177.5 165,177.5 165,190 20,190 20,20 220,20 220,190

## Other copper
Bottom Layer:
  rectangle net AGND2: 136.5,43.5 147,48.25

## Silkscreen, mask and mechanical layers (free items; w line width, h text height)
Mechanical 1:
  lines w0.254: 109.5,12.75 109.5,196.25

## Text inside footprints (layer, text, board x,y; h text height)
D1: Mechanical 1 "1" at 192.95,42.075 h1; Mechanical 1 "9." at 194.45,36.575 h1 r90; Mechanical 1 "17" at 199.95,38.075 h1 r180; Mechanical 1 "25" at 198.45,43.575 h1 r270
D2: Mechanical 1 "1" at 157.55,84.5 h1; Mechanical 1 "9." at 159.05,79 h1 r90; Mechanical 1 "17" at 164.55,80.5 h1 r180; Mechanical 1 "25" at 163.05,86 h1 r270
D9: Mechanical 1 "1" at 120.25,45 h1 r270; Mechanical 1 "9." at 114.75,43.5 h1; Mechanical 1 "17" at 116.25,38 h1 r90; Mechanical 1 "25" at 121.75,39.5 h1 r180
X8: Top Overlay "49" at 198.274,183.365 h0.75 r90; Top Overlay "50" at 205.774,183.165 h0.75 r90; Top Overlay "1" at 198.274,122.865 h0.75 r90; Top Overlay "2" at 205.674,122.765 h0.75 r90
X9: Top Overlay "49" at 150.014,183.365 h0.75 r90; Top Overlay "50" at 157.514,183.165 h0.75 r90; Top Overlay "1" at 150.014,122.865 h0.75 r90; Top Overlay "2" at 157.414,122.765 h0.75 r90
X10: Top Overlay "5" at 156.53,52.15 h0.75 r180; Top Overlay "6" at 156.73,59.65 h0.75 r180; Top Overlay "2" at 161.25,59.55 h0.75 r180; Top Overlay "1" at 161.15,52.15 h0.75 r180
X11: Top Overlay "2" at 220.661,175.711 h0.75 r270; Top Overlay "1" at 208.088,175.711 h0.75 r270
X24: Top Overlay "2" at 209.239,34.839 h0.75 r90; Top Overlay "1" at 221.812,34.839 h0.75 r90
X_21_1: Top Overlay "1" at 69.39,126.35 h0.75
X_21_2: Top Overlay "1" at 53.14,126.35 h0.75
X_21_3: Top Overlay "1" at 69.39,140.1 h0.75
X_21_4: Top Overlay "1" at 53.14,140.1 h0.75
X_21_5: Top Overlay "1" at 69.39,153.85 h0.75
X_21_6: Top Overlay "1" at 53.14,153.85 h0.75
X_21_7: Top Overlay "1" at 69.39,170.1 h0.75
X_21_8: Top Overlay "1" at 53.14,170.1 h0.75